# Altium PCB SEG_pressure gauge_don  V3.0.PcbDoc (part 1 of 2)
Units mil, origin at the board's own origin, x right, y up, seen from the top; angles counter-clockwise.
Board outline 2569.04 x 2565.38 mil, 2 copper layers (Top Layer, Bottom Layer); 47 components, 47 nets, 157 pads, 41 vias.
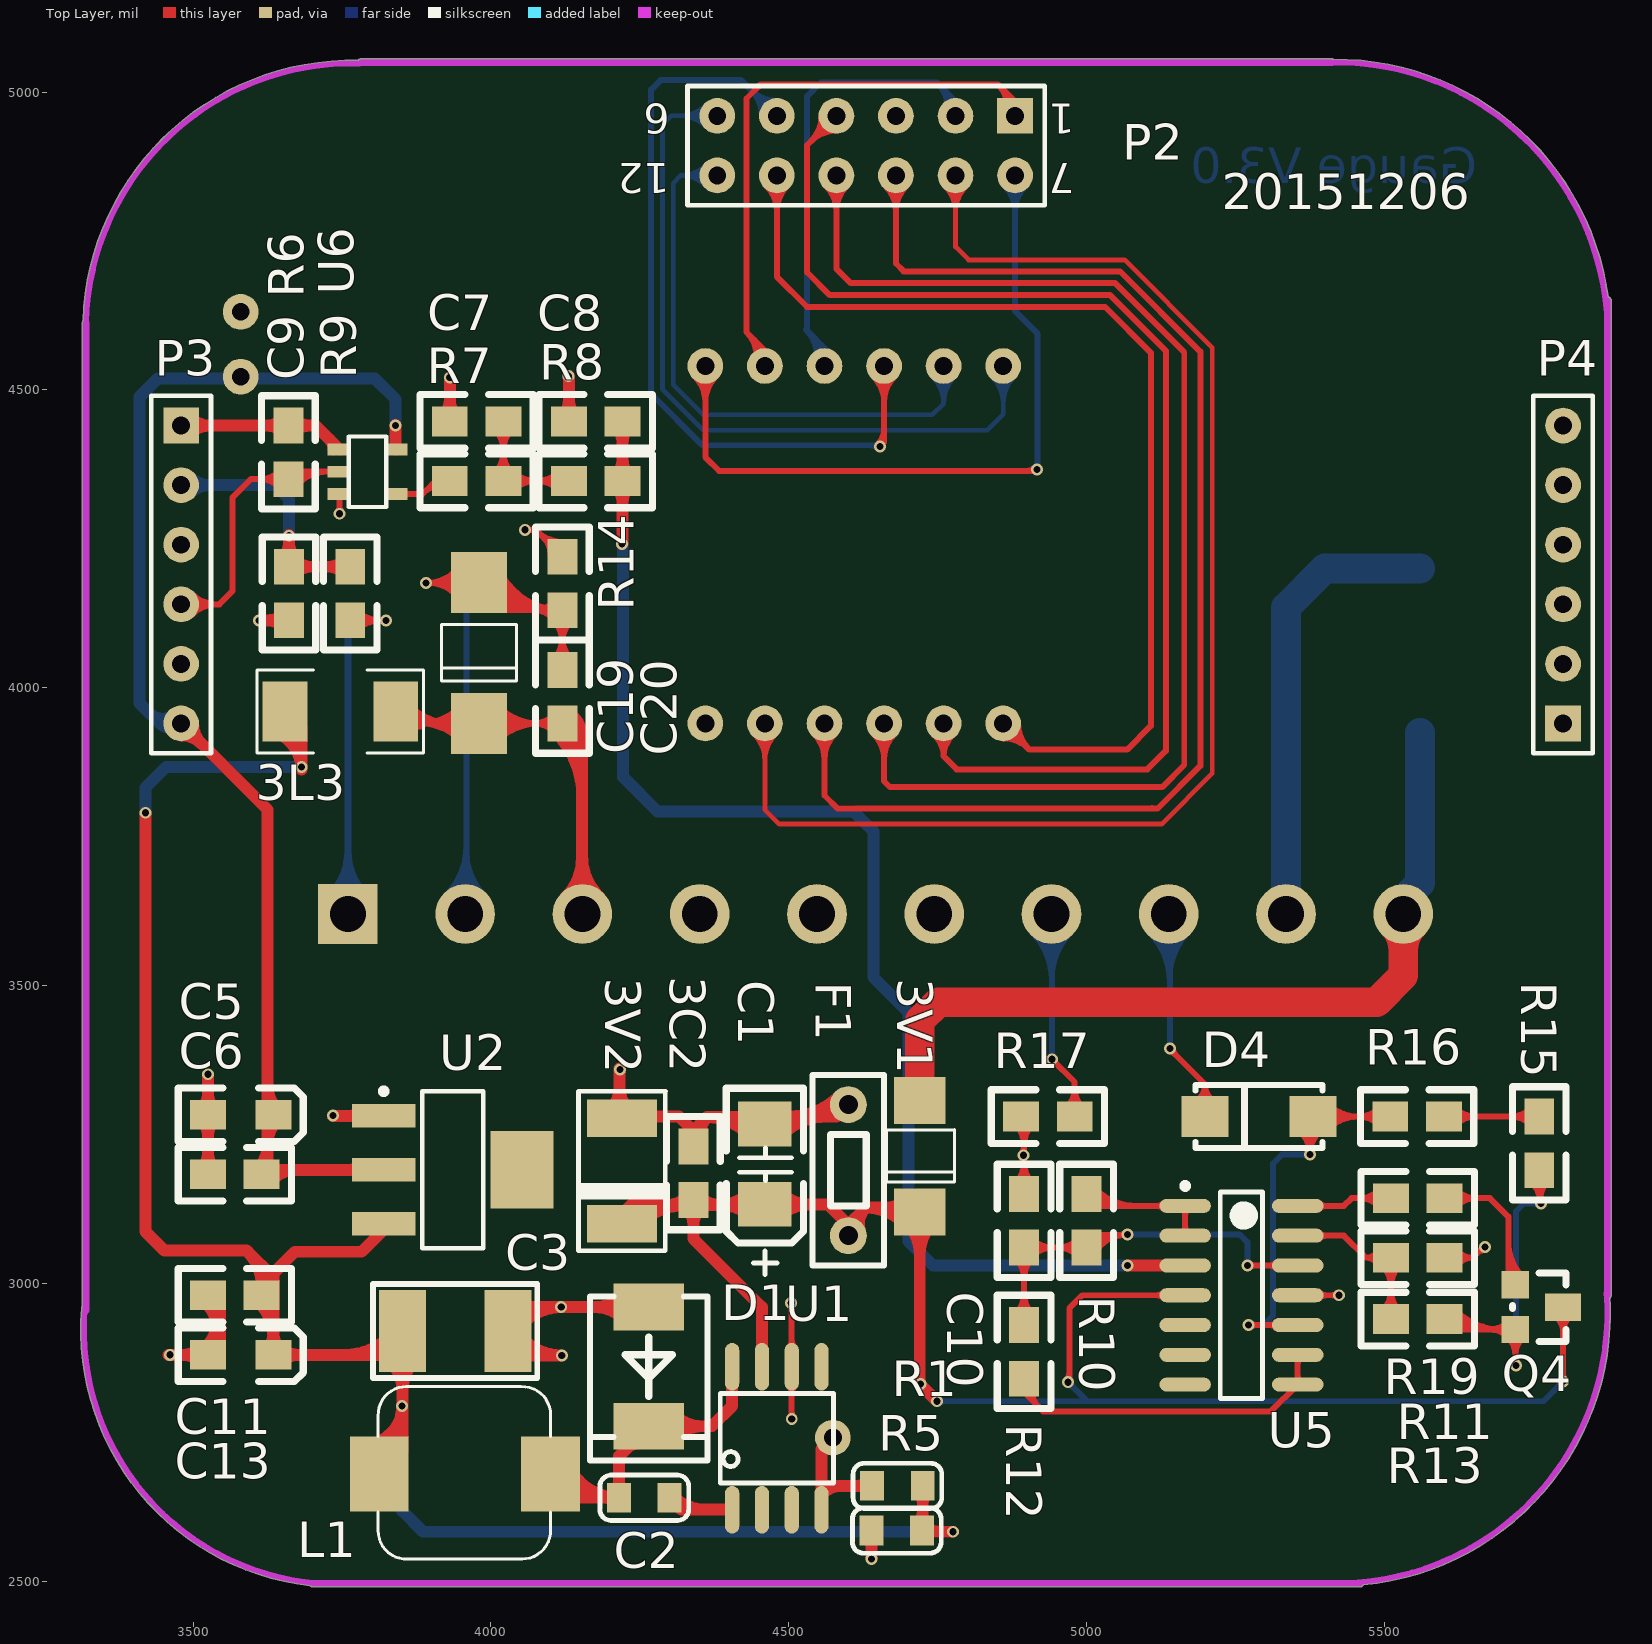
[diagram p0: Top Layer view]
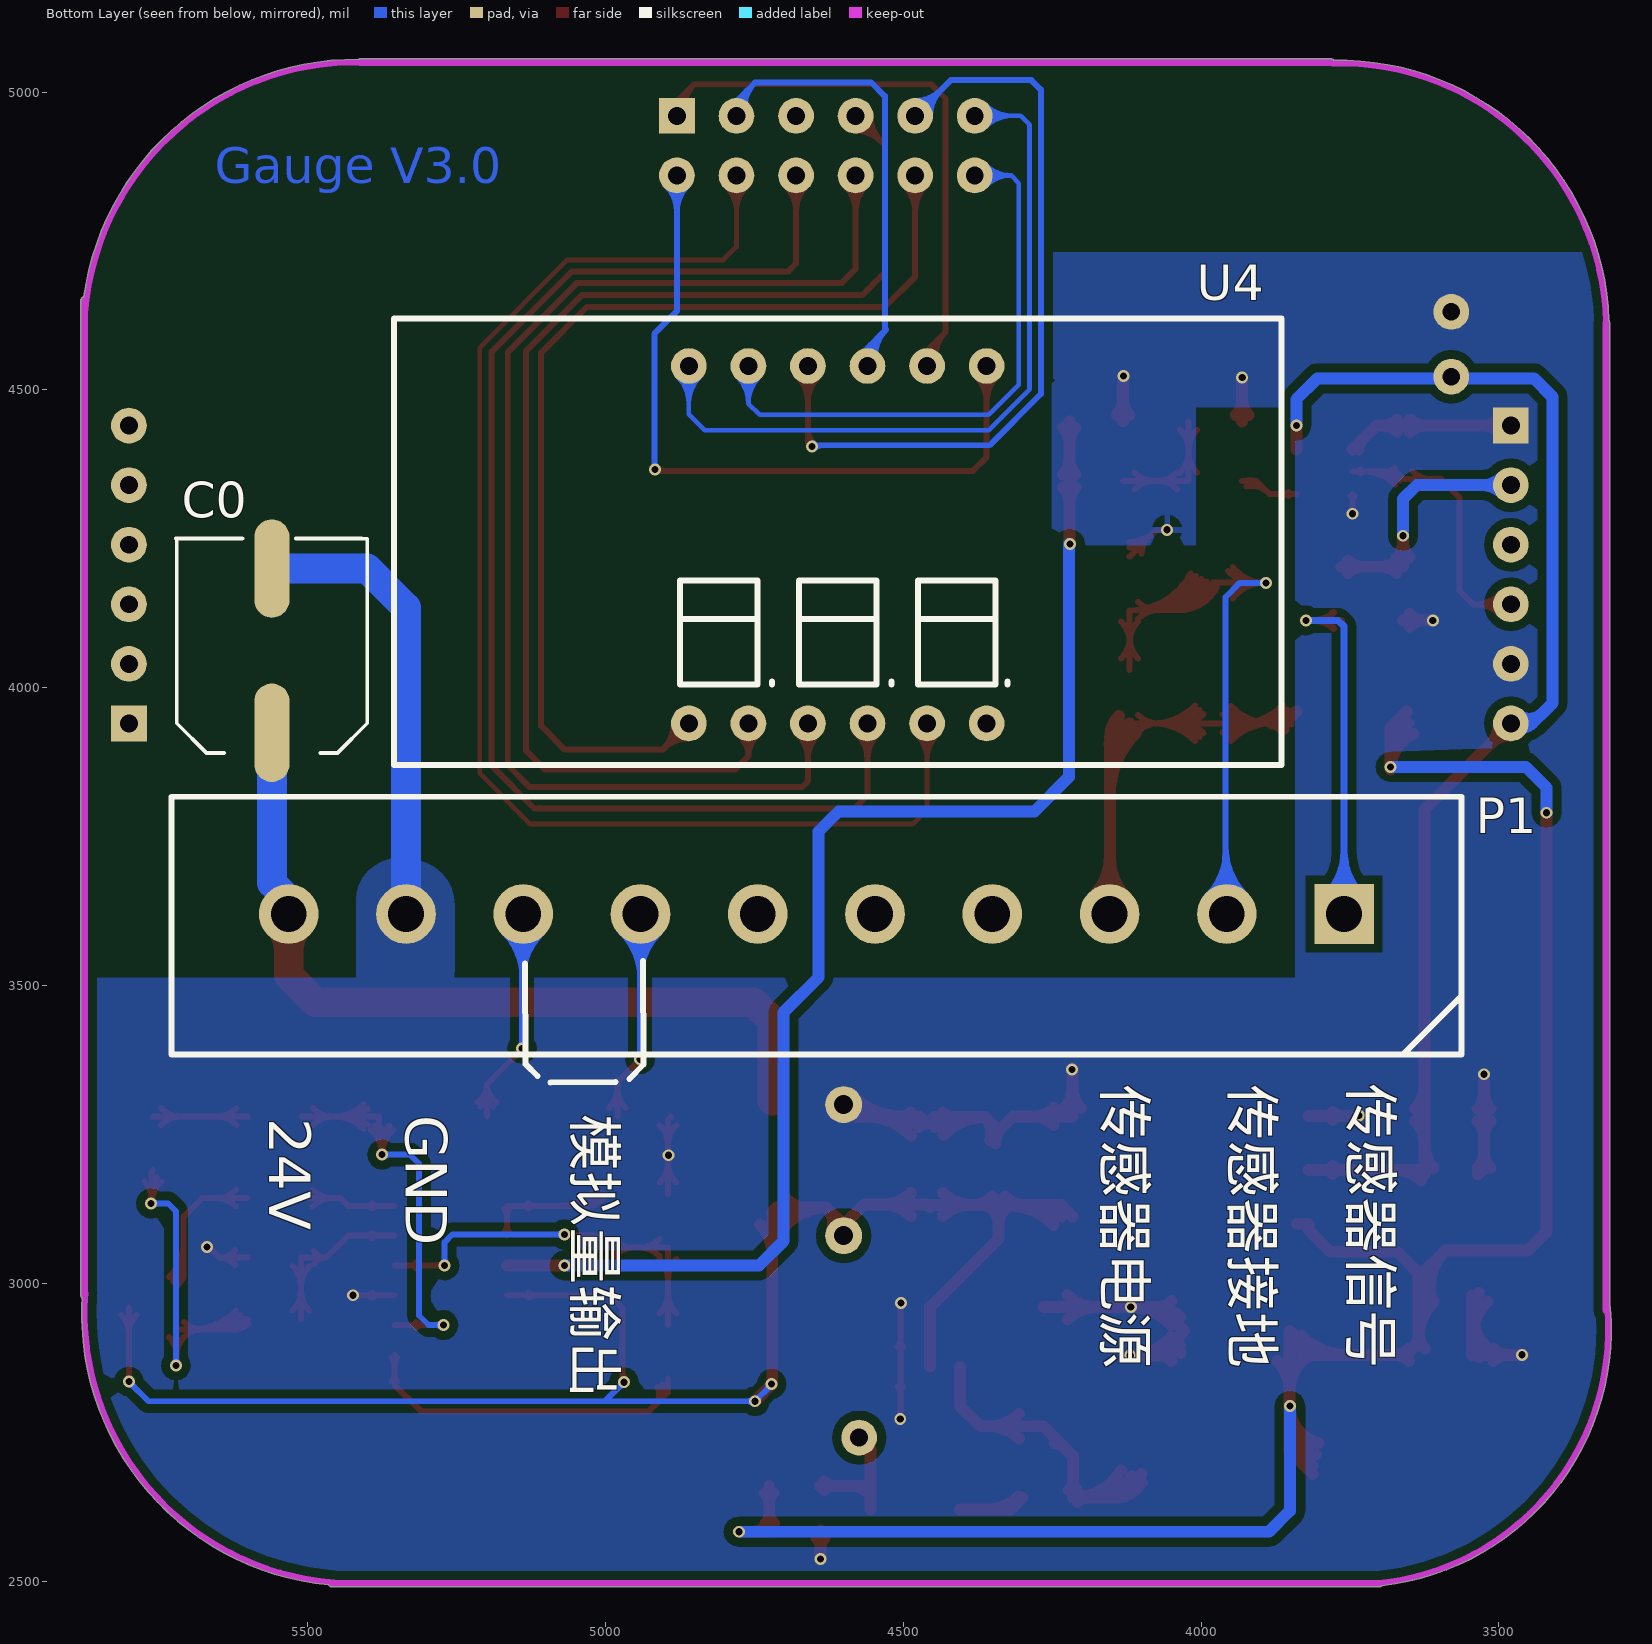
[diagram p1: Bottom Layer view, seen from below]
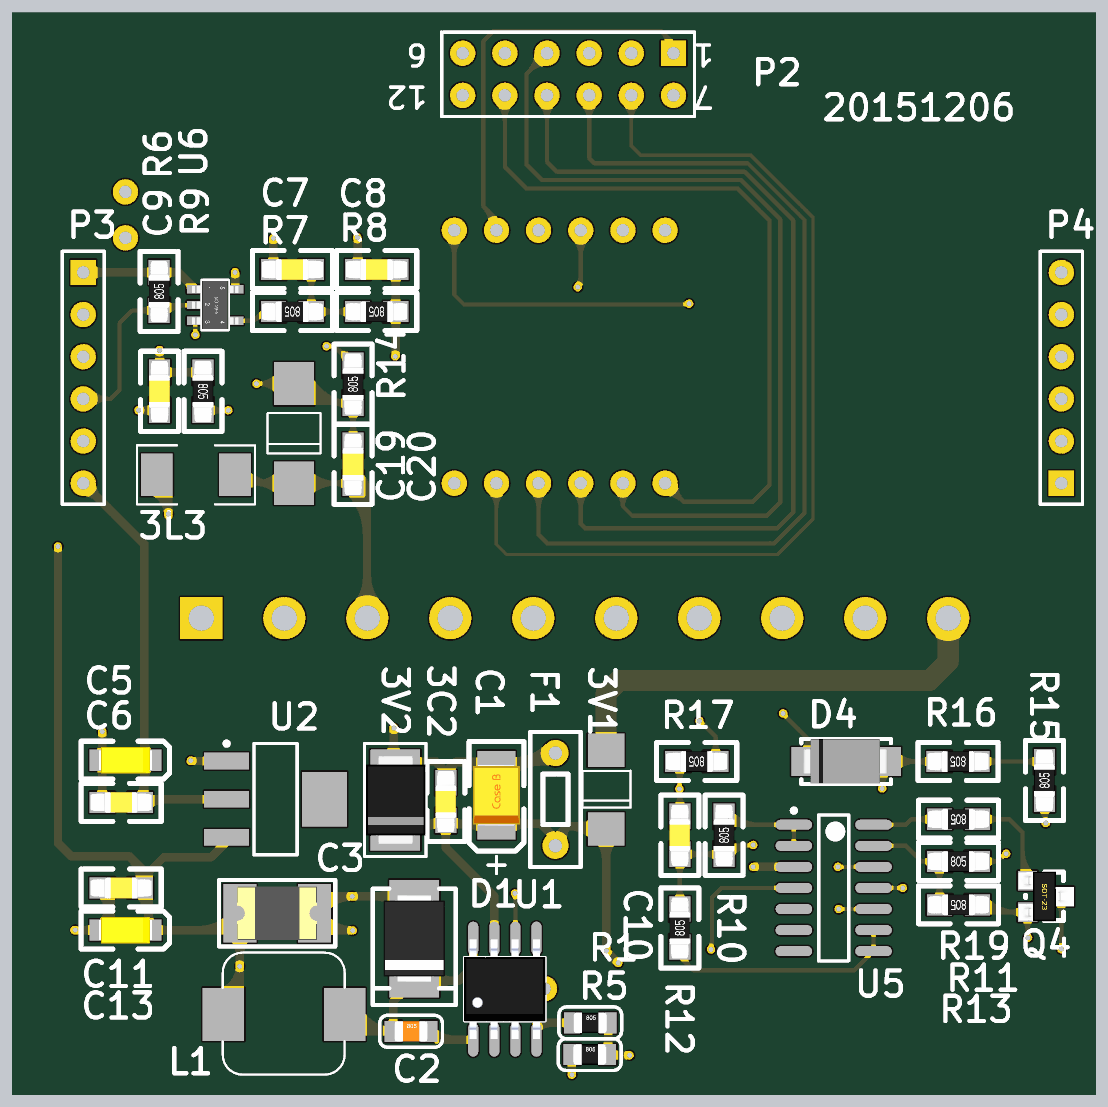
[diagram p3: 3D render of the assembled board from above, using the file's embedded part models]

## Layer stack, top to bottom
Top Layer: signal copper 1.4
Dielectric: core 12.6, FR-4, Dk 4.8
Bottom Layer: signal copper 1.4

## Board outline
3313,2958.41 ccw(c3744.41,2922.59) 3696.48,2492.36 ccw(c3701,2496.18) 3701,2490.26 5459,2490.26 ccw(c5459,2496.18) 5464.37,2493.68 ccw(c5421.5,2949.5) 5879.33,2949.5 ccw(c5421.5,2949.5) 5878.59,2975.52 ccw(c5874.72,2980) 5880.64,2980 5880.64,4650 ccw(c5874.72,4650) 5875.68,4655.84 ccw(c5418.5,4593.5) 5414.88,5054.9 ccw(c5412,5049.72) 5412,5055.64 3782,5055.64 ccw(c3782,5049.72) 3777.11,5053.06 ccw(c3767.09,4601.09) 3315.26,4616.3 ccw(c3320.18,4613) 3314.26,4613 3314.26,2961.34 ccw(c3318,2958)

## Design rules (kind name [scope] priority, off if disabled: settings)
Clearance [All] p1: gap=15
PlaneConnect [All] p1: planeconnectstyle=Direct reliefexpansion=20 reliefentries=4 reliefconductorwidth=10 reliefairgap=10
PolygonConnect [All] p1: connectstyle=Direct reliefconductorwidth=10 reliefentries=4 polygonreliefangle="90 Angle"
RoutingVias [All] p1: holewidth=25 width=50 viastyle="Through Hole" minholewidth=20 minwidth=50 maxholewidth=28 maxwidth=150
SilkscreenOverComponentPads [All] p1: minsilkscreentomaskgap=10
SolderMaskExpansion [All] p1: expansion=4
Width [All] p1: maxlimit=50 minlimit=6 preferedwidth=8
26 further rules are at their usual default settings.

## Components (designator, comment, footprint, x,y, rotation, side; value= is the part's Value field where it differs from the comment)
3C2 "104" 0805_C_Y 4339.97,3139.86 r90 top
3L3 "SMDF453232C100K" SMDF4532 3652.92,3965.72 r0 top
3V1 "IN4007" DO-214AC 4719.08,3298.11 r270 top
3V2 "SMAJ30CA" DO-214AA 4220,3188.58 r270 top
C0 "47uF" D50 5559.46,4200.6 r180 bottom
C1 "47uF" "3528 钽电容" 4460,3200 r270 top
C2 "100pF" 0805C 4215,2640 r0 top
C3 "100uF" 1812-PPTC 3940,2920 r0 top
C5 "10uf" 3216 3580,3283 r0 top
C6 "100nf" 0805_C_Y 3615,3183 r180 top
C7 "100nf" 0805_C_Y 4021,4447 r180 top
C8 "100nf" 0805_C_Y 4221,4447 r180 top
C9 "100nf" 0805_C_Y 3661,4113 r90 top
C10 "474" 0805_C_Y 4895,3060 r90 top
C11 "104" 0805_C_Y 3615,2980 r180 top
C13 "107C/16V" 3216 3580,2880 r0 top
C19 "106/16V" XM_ELE_TA_C_6032 3979.5,3939.77 r90 top
C20 "104" 0805_C_Y 4119.97,3939.86 r90 top
D1 "1N5822" SMB 4265,2860 r270 top
D4 "Diode 1N4007" DO-214 5380,3280 r180 top
F1 "07D390K" FUSE-220 4600,3080 r90 top
L1 "22mH" SMDRH74 4100,2680 r180 top
P1 "Header 10H" HDR1X10H 3760,3620 r0 bottom locked
P2 "Header 6X2*2.54" HDR2X6_CEN 4880,4960 r180 top locked
P3 "Header 6" HDR1X6 3480,4440 r270 top locked
P4 "Header 6" HDR1X6 5800,3940 r90 top locked
Q4 "S8050" SOT-23_Y 5760,2960 r270 top
R1 "3.3K" 0805R 4638.88,2585 r0 top
R5 "10K" 0805R 4640,2660 r0 top
R6 "10k" 0805_R_Y 3660,4350 r90 top
R7 "10k" 0805_R_Y 4021,4347 r180 top
R8 "10k" 0805_R_Y 4221,4347 r180 top
R9 "10k" 0805_R_Y 3764,4203 r270 top
R10 "100k" 0805_R_Y 5000,3060 r90 top
R11 "100k" 0805_R_Y 5511,3043 r0 top
R12 "100k" 0805_R_Y 4895,2840 r90 top
R13 "100k" 0805_R_Y 5601,2940 r180 top
R14 "0" 0805_R_Y 4119.97,4129.85 r90 top
R15 "47" 0805_R_Y 5760,3190 r90 top
R16 "47" 0805_R_Y 5600,3280 r180 top
R17 "100" 0805_R_Y 4980,3280 r180 top
R19 "2k" 0805_R_Y 5601,3143 r180 top
U1 "TPS5430" SO8NB 4480,2740 r0 top
U2 "LM1117MP-3.3" MP04A_M 3936.14,3190.55 r0 top
U4 "3位共阳极数码管" 3位数码管0.56 4860,3940 r180 bottom locked
U5 "LM324AD" D014_N 5260,2980 r0 top
U6 "NC7SZ125" SOT23-5 3745.51,4400 r90 top

## Footprints (in the part's own frame and the unit in brackets; to place one, negate y for a bottom-side part, rotate by r counter-clockwise, add the part's x,y. Pads: shape width x height; smd on the part's side, far side on the other; paste and mask are expansions set on the pad)
3位数码管0.56 [mil]
  round 60 hole 30: 1(0,600) 2(300,600) 3(400,600) 6(500,0) a(100,600) b(500,600) c(300,0) d(100,0) dot(200,0) e(0,0) f(200,600) g(400,0)
  silkscreen extent -495,-70 995,680
0805_C_Y [mil] "0805贴片电容（已加焊）"
  rect 60x50 smd: 1(0,0) 2(90,0)
  silkscreen extent -50,-45 140,45, body extent -27,-25 117,25, height 14
0805_R_Y [mil] "0805贴片电阻（已加焊）"
  rect 60x50 smd: 1(0,0) 2(90,0)
  silkscreen extent -50,-45 140,45, body extent -27,-25 117,25, height 14
0805C [mil]
  rect 40x50 smd: 1(0,0) 2(85,0)
  silkscreen extent -32,-38 117,38, body extent 3,-25 82,25, height 30
0805R [mil]
  rect 40x50 smd: 1(0,0) 2(85,0)
  silkscreen extent -32,-38 117,38, body extent 3,-25 82,25, height 30
1812-PPTC [mm]
  rect 2x3.5 smd: 1(-2.25,0) 2(2.25,0)
  silkscreen extent -3.5,-2 3.5,2, body extent -2.41,-1.61 2.41,1.61, height 1.32
3216 [mil]
  rect 60x50 smd: 1(55,0) 2(-55,0)
  silkscreen extent -105,-45 105,45, body extent -63,-31 63,31, height 63
"3528 钽电容" [mil]
  rect 75x90 smd: 1(67.5,0) 2(-67.5,0)
  silkscreen extent -128,-65 186,65, body extent -73,-56 73,56, height 82
D014_N [mm] "SOIC, 14-Leads, Body 8.7x3.9mm, Pitch 1.27mm, IPC Medium Density"
  oval 2.2x0.6 smd: 1(-2.4,3.81) 2(-2.4,2.54) 3(-2.4,1.27) 4(-2.4,0) 5(-2.4,-1.27) 6(-2.4,-2.54) 7(-2.4,-3.81) 8(2.4,-3.81) 9(2.4,-2.54) 10(2.4,-1.27) 11(2.4,0) 12(2.4,1.27) 13(2.4,2.54) 14(2.4,3.81)
  silkscreen extent -2.52,-4.4 0.9,4.78, body extent -2,-4.38 2,4.38, height 1.75
D50 [mm]
  oval 1.5x4.2 smd: 1(-0.014,-7.015) 2(-0.014,-0.015)
  silkscreen extent -4.1,-7.88 4.06,1.26
DO-214 [mm]
  rect 2x1.75 smd: 1(0,0) 2(4.6,0)
  silkscreen extent -0.4,-1.35 5,1.35, body extent -0.2,-1.34 4.91,1.33, height 2.12
DO-214AA [mm]
  rect 1.59x3 smd: 1(-2.25,0) 2(2.25,0)
  silkscreen extent -3.4,-1.85 3.4,1.85, body extent -2.7,-1.77 2.7,1.83, height 2.32
DO-214AC [mm]
  rect 2x2.2 smd: 1(-0.218,0.024) 2(4.524,0.023)
  silkscreen extent 1.02,-1.4 3.24,1.5
FUSE-220 [mil]
  round 62 hole 32: 1(0,0) 2(220,0)
  silkscreen extent -50,-60 270,60
HDR1X6 [mil] "Connector; Header; 6 Position"
  rect 60x60 hole 30: 1(0,0)
  round 60 hole 30: 2(100,0) 3(200,0) 4(300,0) 5(400,0) 6(500,0)
  silkscreen extent -50,-50 550,50
HDR1X10H [mil] "Connector; Header; 10 Position; Right Angle"
  rect 100x100 hole 60: 1(0,0)
  round 100 hole 60: 2(196.85,0) 3(393.7,0) 4(590.55,0) 5(787.4,0) 6(984.25,0) 7(1181.1,0) 8(1377.95,0) 9(1574.8,0) 10(1771.65,0)
  silkscreen extent -197,-197 1969,236
HDR2X6_CEN [mil] "Connector; Header; 6x2 Position"
  rect 60x60 hole 30: 1(0,0)
  round 60 hole 30: 2(100,0) 3(200,0) 4(300,0) 5(400,0) 6(500,0) 7(0,100) 8(100,100) 9(200,100) 10(300,100) 11(400,100) 12(500,100)
  silkscreen extent -50,-50 550,150
MP04A_M [mm] "SOT223, 4-Leads, Body 6.5x3.5mm, Pitch 2.3mm, Lead Span 7mm, IPC Low Density"
  rect 2.7x1 smd: 1(-2.95,2.3) 2(-2.95,0) 3(-2.95,-2.3)
  rect 2.7x3.3 smd: 4(2.95,0)
  silkscreen extent -3.07,-3.35 1.3,3.47, body extent -1.85,-3.35 1.85,3.35, height 1.8
SMB [mm]
  rect 2x3 smd: 1(-2.54,0) 2(2.54,0)
  silkscreen extent -3,-2.5 4,2.5, body extent -2.65,-1.85 2.65,1.85, height 2.2
SMDF4532 [mil]
  rect 75x100 smd: 1(1.45,-5.72) 2(187.08,-5.72)
  silkscreen extent -46,-76 234,64
SMDRH74 [mm]
  rect 2.5x3.2 smd: 1(0,0) 2(7.3,0)
  silkscreen extent 0,-3.73 7.35,3.63
SO8NB [mil]
  oval 24x80 smd: 1(-75,-120) 2(-25,-120) 3(25,-120) 4(75,-120) 5(75,120) 6(25,120) 7(-25,120) 8(-75,120)
  silkscreen extent -95,-75 95,75, body extent -97,-118 96,118, height 61
SOT23-5 [mm]
  rect 0.5x1 smd: 1(0,0) 2(-0.95,0) 3(-1.9,0) 4(-1.9,-2.4) 5(0,-2.4)
  silkscreen extent -2.45,-2 0.55,-0.4, body extent -2.4,-2.6 0.5,0.2, height 1.09
SOT-23_Y [mil] "IMP809T（已加焊）"
  rect 46x46 smd: 1(-37.5,-40) 2(37.5,-40)
  rect 46x60 smd: 3(0.5,40)
  silkscreen extent -58,-45 58,45, body extent -60,-63 61,70, height 39
XM_ELE_TA_C_6032 [mm]
  rect 2.6x2.4 smd: 1(0.006,-0.013) 2(6.006,-0.013)
  silkscreen extent 1.81,-1.61 4.23,1.59

## Part data
3C2 C11 C19 C20: library part CAP, "Capacitor"
3L3: library part TRANS0
3V1: library part DIODE, "Diode"
3V2: library part ZENER3, "Zener Diode"
C0 C1 C3: library part "Cap Pol1", "Polarized Capacitor (Radial)"
C2 C6 C7 C8 C9 C10: library part Cap, "Capacitor"
C5: library part "Cap Pol2", "Polarized Capacitor (Axial)"
C13: library part "CAPACITOR POL", "Capacitor"
D1: library part "Diode 1N5408", "3 Amp Medium Power Silicon Rectifier Diode"
D4: library part "Diode 1N5402", "3 Amp General Purpose Rectifier"
F1: library part RES2_S, "RES"
L1: library part Inductor, "Inductor"
P1: "Header, 10-Pin, Right Angle"
P2: library part "Header 6X2A", "Header, 6-Pin, Dual row"
P3 P4: "Header, 6-Pin"
Q4: library part 2N3904, "NPN General Purpose Amplifier"
R1 R5 R6 R7 R8 R9 R10 R11 R12 R13 R15 R16 R17 R19: library part Res2, "Resistor"
R14: library part RES1
U1: library part Component_1
U2: "800mA Low-Dropout Linear Regulator"
U5: "Quadruple Operational Amplifier"

## Free pads (board coordinates)
  round 60 hole 30: 0(3580,4522) 1(3580,4631) 2(4574,2741)

## Via types
v1: diameter 20, hole 12, Top Layer to Bottom Layer, 41 vias

## Nets (pads, with @x,y where several pads share a name; then routed paths per layer and width w, separated by ;. In a path a pad name is that pad's centre, name@x,y a point inside that pad or via, vN(x,y) a via of type N, cw(c..) or ccw(c..) an arc to the next point about the centre after c; other vN are vias at no path point)
3.3V: C5.1 C6.1 P3.6 pad.0 U2.2 U6.5 | length 3001.2
  Top Layer w20: P3.6@3480,3940 3625,3795 3625,3283 C5.1@3625,3273 ; C5.1@3635,3283 C5.1@3625,3273 ; U2.2@3820,3190.55 3632.55,3190.55 3625,3183 C5.1@3625,3273 ; U6.5@3840,4400 v1(3840,4440) v1@3840,4441 ; 3514.14,3905.86 ccw(c3480,3871.72) 3480,3920 cw(c3480,3871.72) 3514.14,3905.86 ; 3514.14,3905.86 cw(c3548.28,3940) 3500,3940 ccw(c3548.28,3940) 3514.14,3905.86 ; 3763.15,3190.55 ccw(c3763.15,3213.93) 3779.69,3197.4 cw(c3763.15,3213.93) 3763.15,3190.55 ; 3763.15,3190.55 cw(c3763.15,3167.17) 3779.69,3183.7 ccw(c3763.15,3167.17) 3763.15,3190.55 ; C6.1@3609.39,3193.61 ccw(c3571.72,3231.28) 3625,3231.28 cw(c3571.72,3231.28) C6.1@3609.39,3193.61 ; 3625,3234.72 cw(c3678.28,3234.72) 3640.61,3272.39 ccw(c3678.28,3234.72) 3625,3234.72 ; 3625,3331.28 ccw(c3678.28,3331.28) 3640.61,3293.61 cw(c3678.28,3331.28) 3625,3331.28 ; C6.1@3630.61,3172.39 cw(c3674.45,3128.55) 3674.45,3190.55 ccw(c3674.45,3128.55) C6.1@3630.61,3172.39
  Bottom Layer w20: v1(3840,4440) 3840,4484 3805,4519 3580,4519 3441,4519 3410,4488 3410,3974 3444,3940 ; 3444,3940 ccw(c3444,3962.4) 3463.02,3950.57 cw(c3444,3962.4) 3444,3940 ; 3444,3940 cw(c3444,3917.6) 3463.02,3929.43 ccw(c3444,3917.6) 3444,3940 ; 3444,3940 P3.6@3480,3940 ; P3.6@3480,3940 cw(c3462.03,3960.11) 3442.96,3941.04 ccw(c3462.03,3960.11) P3.6@3480,3940 ; 3428,3956 ccw(c3447.91,3975.91) 3466.67,3954.91 cw(c3447.91,3975.91) 3428,3956
5V: 3L3.1 C3.1 C11.1 C13.1 L1.2 R1.2 R5.2 U2.3 | length 5842.4
  Top Layer w20: v1(3420,3790) 3420,3087 3452,3055 3590,3055 3635,3010 ; 3L3.1@3654.37,3960 3682,3932.37 v1(3682,3867) ; L1.2@3812.6,2680 3851.42,2718.82 v1@3851.42,2794 ; U2.3@3820,3094 3820,3090 3783,3053 3671,3053 3635,3017 ; U2.3@3820,3100 U2.3@3839,3100 ; R5.2@4725,2660 4725,2586.12 R1.2@4723.88,2585 4725.88,2583 v1(4776,2583) ; 3635,2916.21 ccw(c3671.21,2916.21) 3645.61,2890.61 cw(c3671.21,2916.21) 3635,2916.21 ; 3635,2916.21 cw(c3598.79,2916.21) 3624.39,2890.61 ccw(c3598.79,2916.21) 3635,2916.21 ; 3635,3010 3635,2980 3635,2900 3645,2890 3655,2880 3811.42,2880 ; 3635,3010 3635,3017 ; 3635,3017 cw(c3612.18,3017) 3616.9,2994.68 ccw(c3612.18,3017) 3635,3017 ; 3676.21,2880 ccw(c3676.21,2843.79) 3650.61,2869.39 cw(c3676.21,2843.79) 3676.21,2880 ; 3676.21,2880 cw(c3676.21,2916.21) 3650.61,2890.61 ccw(c3676.21,2916.21) 3676.21,2880 ; 3811.42,2880 ccw(c3811.42,2890.63) 3822.05,2890.59 cw(c3811.42,2890.63) 3811.42,2880 ; 3811.42,2880 cw(c3811.42,2857.59) 3828.73,2871.82 ccw(c3811.42,2857.59) 3811.42,2880 ; 3811.42,2880 C3.1@3851.42,2920 v1@3851.42,2794 ; C3.1@3830.65,2869.7 cw(c3780.51,2819.57) 3851.42,2819.57 ; C3.1@3830.65,2869.7 ccw(c3805.79,2844.85) 3805.79,2880 cw(c3805.79,2844.85) C3.1@3830.65,2869.7 ; C3.1@3830.65,2869.7 cw(c3780.51,2819.57) 3851.42,2819.57 ; v1@3851.42,2794 cw(c3787.26,2794) 3802.99,2731.8 ccw(c3787.26,2794) v1@3851.42,2794 ; 3851.42,2819.57 cw(c3922.32,2819.57) 3872.19,2869.7 ccw(c3922.32,2819.57) 3851.42,2819.57 ; 4725,2630.86 ccw(c4700.86,2630.86) 4717.93,2647.93 cw(c4700.86,2630.86) 4725,2630.86 ; 4725,2630.86 cw(c4749.14,2630.86) 4732.07,2647.93 ccw(c4749.14,2630.86) 4725,2630.86 ; 3590.34,3054.66 cw(c3528.41,2992.73) 3614.94,2979.23 ccw(c3528.41,2992.73) 3590.34,3054.66 ; C11.1@3609.39,2969.39 cw(c3547.57,2907.57) 3635,2907.57 ccw(c3547.57,2907.57) C11.1@3609.39,2969.39 ; 3618.17,3026.83 cw(c3576.56,2985.22) 3634.7,2976.14 ccw(c3576.56,2985.22) 3618.17,3026.83 ; C11.1@3623.54,2983.54 cw(c3595.86,2955.86) 3635,2955.86 ccw(c3595.86,2955.86) C11.1@3623.54,2983.54 ; 3L3.1@3643.13,3922.4 cw(c3616.24,3862.39) 3682,3862.39 ccw(c3616.24,3862.39) 3L3.1@3643.13,3922.4 ; 3L3.1@3651.3,3940.66 cw(c3630.07,3893.27) 3682,3893.27 ccw(c3630.07,3893.27) 3L3.1@3651.3,3940.66 ; 3755.23,2880 ccw(c3755.23,2986.66) 3830.65,2911.24 cw(c3755.23,2986.66) 3755.23,2880 ; 3803.51,2880 ccw(c3803.51,2938.38) 3844.79,2897.1 cw(c3803.51,2938.38) 3803.51,2880 ; L1.2@3807.89,2712.41 ccw(c3793.75,2768.31) 3851.42,2768.31 cw(c3793.75,2768.31) L1.2@3807.89,2712.41 ; C3.1@3812.57,2881.16 cw(c3830.2,2863.54) 3845.62,2883.11 ccw(c3830.2,2863.54) C3.1@3812.57,2881.16 ; L1.2@3812.79,2693.02 ccw(c3800.25,2742.62) 3851.42,2742.62 cw(c3800.25,2742.62) L1.2@3812.79,2693.02 ; R1.2@4716.81,2597.07 ccw(c4697.04,2616.84) 4725,2616.84 cw(c4697.04,2616.84) R1.2@4716.81,2597.07 ; 4725,2611.44 ccw(c4745.32,2611.44) 4730.95,2597.07 cw(c4745.32,2611.44) 4725,2611.44 ; R1.2@4730.95,2592.07 ccw(c4752.85,2613.97) 4752.85,2583 cw(c4752.85,2613.97) R1.2@4730.95,2592.07
  Bottom Layer w20: v1(3420,3790) 3420,3832 3455,3867 v1(3682,3867) ; v1(3851,2794) 3851,2618 3886,2583 v1@4774,2583
24V: 3C2.1 3V1.2 3V2.2 C1.1 F1.1 Q4.3 U1.7 U5.4 | length 4952.6
  Top Layer w10: v1@4971,2834 4971,2958 4993,2980 U5.4@5165.51,2980 ; v1@5800,2834 v1(5800,2835) Q4.3@5800,2959.5 ; 5117.57,2980 ccw(c5117.57,2996.44) 5129.2,2984.82 cw(c5117.57,2996.44) 5117.57,2980 ; 5117.57,2980 cw(c5117.57,2963.56) 5129.2,2975.18 ccw(c5117.57,2963.56) 5117.57,2980 ; 5800,2847.07 ccw(c5812.07,2847.07) 5803.54,2838.54 cw(c5812.07,2847.07) 5800,2847.07 ; 5800,2847.07 cw(c5787.93,2847.07) 5796.46,2838.54 ccw(c5787.93,2847.07) 5800,2847.07 ; 5800,2916.04 ccw(c5756.54,2916.04) 5787.27,2946.77 cw(c5756.54,2916.04) 5800,2916.04 ; 5800,2916.04 cw(c5843.46,2916.04) 5812.73,2946.77 ccw(c5843.46,2916.04) 5800,2916.04 ; v1@4965.46,2837.54 ccw(c4952.1,2850.9) 4971,2850.9 cw(c4952.1,2850.9) v1@4965.46,2837.54
  Top Layer w20: 3V2.2@4216,3112.28 4235,3131.28 3C2.1@4339.97,3131.28 ; 3C2.1@4340,3140 3C2.1@4339.97,3139.86 3C2.1@4340,3131.28 ; U1.7@4455,2860 4455,2960 4340,3075 3C2.1@4340,3131.28 ; v1@4748,2803 4720.5,2830.5 4720,2831 3V1.2@4720,3120 4713,3127 4629,3127 ; 3C2.1@4329.39,3124.39 cw(c4303.79,3098.79) 4340,3098.79 ; 3C2.1@4329.39,3124.39 ccw(c4312.76,3107.76) 4312.76,3131.28 cw(c4312.76,3107.76) 3C2.1@4329.39,3124.39 ; 3C2.1@4329.39,3124.39 cw(c4303.79,3098.79) 4340,3098.79 ; 4340,3098.79 cw(c4376.21,3098.79) 3C2.1@4350.61,3124.39 ; 4340,3098.79 cw(c4376.21,3098.79) 3C2.1@4350.61,3124.39 ; 3C2.1@4340,3131.28 4451.22,3131.28 4455,3127.5 C1.1@4460,3132.5 4565.5,3132.5 4600,3098 4629,3127 ; 3C2.1@4350.61,3124.39 cw(c4367.24,3107.76) 4367.24,3131.28 ccw(c4367.24,3107.76) 3C2.1@4350.61,3124.39 ; 4533.89,3132.5 ccw(c4533.89,3066.11) 4486.95,3113.05 cw(c4533.89,3066.11) 4533.89,3132.5 ; 4533.89,3132.5 cw(c4533.89,3198.89) 4486.95,3151.95 ccw(c4533.89,3198.89) 4533.89,3132.5 ; 4629,3127 ccw(c4656.34,3099.65) 4619.83,3086.92 cw(c4656.34,3099.65) 4629,3127 ; 4629,3127 cw(c4629,3033.99) 4695.17,3099.36 ccw(c4629,3033.99) 4629,3127 ; 4720,3049.09 ccw(c4649.09,3049.09) 4699.23,3099.23 cw(c4649.09,3049.09) 4720,3049.09 ; 4720,3049.09 cw(c4790.91,3049.09) 4740.77,3099.23 ccw(c4790.91,3049.09) 4720,3049.09 ; 3V2.2@4233.27,3112.34 cw(c4279,3066.6) 4279,3131.28 ccw(c4279,3066.6) 3V2.2@4233.27,3112.34 ; 3V2.2@4247.41,3098.2 cw(c4327.29,3018.32) 4327.29,3131.28 ccw(c4327.29,3018.32) 3V2.2@4247.41,3098.2 ; 4294.82,3131.28 ccw(c4294.82,3180.18) 4329.39,3145.61 cw(c4294.82,3180.18) 4294.82,3131.28 ; 3C2.1@4350.61,3145.61 ccw(c4385.18,3180.18) 4385.18,3131.28 cw(c4385.18,3180.18) 3C2.1@4350.61,3145.61 ; 4383.17,3131.28 ccw(c4383.17,3201.83) 4433.05,3151.95 cw(c4383.17,3201.83) 4383.17,3131.28 ; 4389.04,3131.28 cw(c4389.04,3069.04) 4433.05,3113.05 ccw(c4389.04,3069.04) 4389.04,3131.28 ; 4587.63,3110.37 cw(c4559.97,3082.7) 4599,3080.07 ccw(c4559.97,3082.7) 4587.63,3110.37 ; 4662.06,3127 ccw(c4662.06,3174.01) 4695.3,3140.77 cw(c4662.06,3174.01) 4662.06,3127 ; 3V1.2@4676.88,3127 cw(c4676.88,3081.29) 4709.4,3113.41 ccw(c4676.88,3081.29) 3V1.2@4676.88,3127
  Bottom Layer w10: v1@4723.5,2827.5 v1(4749,2802) 5001,2802 ; v1(4969,2834) 5001,2802 ; v1(5800,2835) 5767,2802 5001,2802 ; 4740.46,2810.54 ccw(c4749,2819.07) 4749,2807 cw(c4749,2819.07) 4740.46,2810.54 ; 4740.46,2810.54 cw(c4731.93,2802) 4744,2802 ccw(c4731.93,2802) 4740.46,2810.54 ; 4761.07,2802 ccw(c4761.07,2789.93) 4752.54,2798.46 cw(c4761.07,2789.93) 4761.07,2802 ; 4761.07,2802 cw(c4761.07,2814.07) 4752.54,2805.54 ccw(c4761.07,2814.07) 4761.07,2802 ; 4977.54,2825.46 ccw(c4969,2816.93) 4969,2829 cw(c4969,2816.93) 4977.54,2825.46 ; 4977.54,2825.46 cw(c4986.07,2834) 4974,2834 ccw(c4986.07,2834) 4977.54,2825.46 ; 5791.46,2826.46 ccw(c5782.93,2835) 5795,2835 cw(c5782.93,2835) 5791.46,2826.46 ; 5791.46,2826.46 cw(c5800,2817.93) 5800,2830 ccw(c5800,2817.93) 5791.46,2826.46 ; v1@4721,2826 cw(c4721,2816.34) 4727.83,2823.17 ccw(c4721,2816.34) v1@4721,2826 ; v1@4726,2831 ccw(c4740.49,2831) 4730.24,2820.76 cw(c4740.49,2831) v1@4726,2831
  other v1: 4721,2831
24VIN: 3V1.1 C0.1 P1.10 | length 1586.4
  Top Layer w50: 3V1.1@4720.03,3306.7 4720.03,3441.03 4751,3472 5487,3472 5531.65,3516.65 P1.10@5531.65,3620 ; 5531.65,3559.64 ccw(c5471.3,3559.64) 5513.98,3602.32 cw(c5471.3,3559.64) 5531.65,3559.64 ; 5531.65,3559.64 cw(c5592.01,3559.64) 5549.33,3602.32 ccw(c5592.01,3559.64) 5531.65,3559.64
  Bottom Layer w50: P1.10@5531.65,3620 5531.65,3643.65 5560,3672 C0.1@5560,3924.41
A_GND: C19.2 C20.2 P1.2 R14.1 | length 3951.6
  Top Layer w10: v1@3891,4177 ccw(c3892.88,4178.88) v1@3892.88,4176.22 ; R14.1@4119.97,4130 4026.22,4130 C19.2@3980,4176.22 v1@3892.88,4176.22 ; C20.2@4120,4030 R14.1@4119.97,4129.85 R14.1@4120,4130 ; v1@3892.88,4176.22 ccw(c3892.88,4244.92) 3946.83,4202.38 cw(c3892.88,4244.92) v1@3892.88,4176.22 ; v1@3892.88,4176.22 cw(c3892.88,4107.52) 3946.83,4150.06 ccw(c3892.88,4107.52) v1@3892.88,4176.22 ; 3913.51,4176.22 ccw(c3913.51,4228.66) 3954.68,4196.19 cw(c3913.51,4228.66) 3913.51,4176.22 ; 3913.51,4176.22 cw(c3913.51,4123.78) 3954.68,4156.25 ccw(c3913.51,4123.78) 3913.51,4176.22 ; 4071.72,4130 ccw(c4071.72,4178.28) 4105.86,4144.14 cw(c4071.72,4178.28) 4071.72,4130 ; 4071.72,4130 cw(c4071.72,4081.72) 4105.86,4115.86 ccw(c4071.72,4081.72) 4071.72,4130 ; 4120,4076.72 ccw(c4071.72,4076.72) 4105.86,4110.86 cw(c4071.72,4076.72) 4120,4076.72 ; 4120,4076.72 cw(c4168.28,4076.72) 4134.14,4110.86 ccw(c4168.28,4076.72) 4120,4076.72 ; 4120,4083.28 ccw(c4168.28,4083.28) 4134.14,4049.14 cw(c4168.28,4083.28) 4120,4083.28 ; 4120,4083.28 cw(c4071.72,4083.28) 4105.86,4049.14 ccw(c4071.72,4083.28) 4120,4083.28 ; R14.1@4119.99,4130 cw(c4119.99,4245.95) 4017.38,4191.96 ccw(c4119.99,4245.95) R14.1@4119.99,4130 ; v1@3894.54,4172.46 cw(c3903.6,4163.4) 3903.6,4176.22 ccw(c3903.6,4163.4) v1@3894.54,4172.46 ; v1@3894.54,4179.54 ccw(c3902.54,4187.54) 3902.54,4176.22 cw(c3902.54,4187.54) v1@3894.54,4179.54 ; C19.2@3973.14,4168.67 ccw(c4037.18,4202.37) 4037.18,4130 cw(c4037.18,4202.37) C19.2@3973.14,4168.67 ; C19.2@3981.99,4173.33 ccw(c4053.75,4211.09) 4053.75,4130 cw(c4053.75,4211.09) C19.2@3981.99,4173.33 ; C19.2@3990.84,4177.99 ccw(c4070.31,4219.8) 4070.31,4130 cw(c4070.31,4219.8) C19.2@3990.84,4177.99 ; C19.2@3999.69,4182.64 ccw(c4086.87,4228.52) 4086.87,4130 cw(c4086.87,4228.52) C19.2@3999.69,4182.64 ; C19.2@4008.53,4187.3 ccw(c4103.43,4237.23) 4103.43,4130 cw(c4103.43,4237.23) C19.2@4008.53,4187.3
  Bottom Layer w10: v1(3891,4176) 3935,4176 3959,4152 3959,3622.15 P1.2@3956.85,3620 ; 3903.07,4176 ccw(c3903.07,4163.93) 3894.54,4172.46 cw(c3903.07,4163.93) 3903.07,4176 ; 3903.07,4176 cw(c3903.07,4188.07) 3894.54,4179.54 ccw(c3903.07,4188.07) 3903.07,4176 ; P1.2@3925.03,3651.82 ccw(c3843.02,3733.83) 3959,3733.83 cw(c3843.02,3733.83) P1.2@3925.03,3651.82 ; P1.2@3932.1,3644.75 ccw(c3867.16,3709.69) 3959,3709.69 cw(c3867.16,3709.69) P1.2@3932.1,3644.75 ; P1.2@3939.17,3637.68 ccw(c3891.3,3685.55) 3959,3685.55 cw(c3891.3,3685.55) P1.2@3939.17,3637.68 ; 3959,3675.16 ccw(c4012.01,3675.16) 3974.53,3637.68 cw(c4012.01,3675.16) 3959,3675.16 ; 3959,3699.31 ccw(c4036.16,3699.31) 3981.6,3644.75 cw(c4036.16,3699.31) 3959,3699.31 ; 3959,3723.45 ccw(c4060.3,3723.45) 3988.67,3651.82 cw(c4060.3,3723.45) 3959,3723.45
AD0: P1.1 R9.2 | length 1327.7
  Top Layer w12: R9.2@3764,4113 v1@3820,4113 ; 3809.87,4113 ccw(c3809.87,4067.13) 3777.44,4099.56 cw(c3809.87,4067.13) 3809.87,4113 ; 3809.87,4113 cw(c3809.87,4158.87) 3777.44,4126.44 ccw(c3809.87,4158.87) 3809.87,4113
  Bottom Layer w12: P1.1@3760,3620 3760,4103 3770,4113 v1(3824,4113) ; 3760,3697.25 ccw(c3837.25,3697.25) 3782.63,3642.63 cw(c3837.25,3697.25) 3760,3697.25 ; 3760,3697.25 cw(c3682.75,3697.25) 3737.37,3642.63 ccw(c3682.75,3697.25) 3760,3697.25 ; 3760,3726.23 ccw(c3866.23,3726.23) 3791.11,3651.11 cw(c3866.23,3726.23) 3760,3726.23 ; 3760,3726.23 cw(c3653.77,3726.23) 3728.89,3651.11 ccw(c3653.77,3726.23) 3760,3726.23
AD1: P3.3
AV_5V: 3L3.2 C19.1 C20.1 P1.3 | length 3825.5
  Top Layer w10: 3L3.2@3840,3960 3861,3960 3881,3940 ; C20.1@4119.97,3940 C19.1@3980,3940 3881,3940 ; 3881,3940 ccw(c3881,3926.38) 3868.89,3932.62 cw(c3881,3926.38) 3881,3940 ; 3881,3940 cw(c3881,3948.51) 3872.49,3948.3 ccw(c3881,3948.51) 3881,3940 ; 3881.01,3940 ccw(c3881.01,4034.87) 3949.5,3969.23 cw(c3881.01,4034.87) 3881.01,3940 ; 3881.01,3940 cw(c3881.01,3845.13) 3949.5,3910.77 ccw(c3881.01,3845.13) 3881.01,3940 ; 3904.44,3940 ccw(c3904.44,4012.41) 3956.72,3962.31 cw(c3904.44,4012.41) 3904.44,3940 ; 3904.44,3940 cw(c3904.44,3867.59) 3956.72,3917.69 ccw(c3904.44,3867.59) 3904.44,3940 ; 3927.87,3940 ccw(c3927.87,3989.95) 3963.94,3955.39 cw(c3927.87,3989.95) 3927.87,3940 ; 3927.87,3940 cw(c3927.87,3890.05) 3963.94,3924.61 ccw(c3927.87,3890.05) 3927.87,3940 ; 4033.7,3940 ccw(c4033.7,3886.3) 3995.73,3924.27 cw(c4033.7,3886.3) 4033.7,3940 ; 4033.7,3940 cw(c4033.7,3993.7) 3995.73,3955.73 ccw(c4033.7,3993.7) 4033.7,3940 ; 4057.84,3940 ccw(c4057.84,3862.16) 4002.8,3917.2 cw(c4057.84,3862.16) 4057.84,3940 ; 4057.84,3940 cw(c4057.84,4017.84) 4002.8,3962.8 ccw(c4057.84,4017.84) 4057.84,3940 ; 4071.72,3940 ccw(c4071.72,3988.28) 4105.86,3954.14 cw(c4071.72,3988.28) 4071.72,3940 ; 4071.72,3940 cw(c4071.72,3891.72) 4105.86,3925.86 ccw(c4071.72,3891.72) 4071.72,3940 ; 4081.99,3940 ccw(c4081.99,3838.01) 4009.87,3910.13 cw(c4081.99,3838.01) 4081.99,3940 ; 4081.99,3940 cw(c4081.99,4041.99) 4009.87,3969.87 ccw(c4081.99,4041.99) 4081.99,3940 ; 3L3.2@3848.56,3938.39 cw(c3865.58,3920.26) 3883.16,3937.84 ccw(c3865.58,3920.26) 3L3.2@3848.56,3938.39 ; 3L3.2@3848.84,3956.34 ccw(c3888.28,3995.78) 3888.28,3940 cw(c3888.28,3995.78) 3L3.2@3848.84,3956.34 ; 3L3.2@3855.91,3963.41 ccw(c3912.43,4019.93) 3912.43,3940 cw(c3912.43,4019.93) 3L3.2@3855.91,3963.41 ; 3L3.2@3862.98,3924.52 cw(c3900.36,3887.14) 3900.36,3940 ccw(c3900.36,3887.14) 3L3.2@3862.98,3924.52 ; 3L3.2@3862.98,3970.48 ccw(c3936.57,4044.07) 3936.57,3940 cw(c3936.57,4044.07) 3L3.2@3862.98,3970.48
  Top Layer w20: 3L3.2@3840,3960 3860,3940 3881,3940 ; C20.1@4120,3940 4120.06,3939.94 4153,3907 4153,3620.7 P1.3@4153.7,3620 ; 3881,3940 ccw(c3881,3915.48) 3861.67,3930.57 cw(c3881,3915.48) 3881,3940 ; 3881,3940 cw(c3881,3954.01) 3867.16,3951.81 ccw(c3881,3954.01) 3881,3940 ; C20.1@4109.39,3924.39 cw(c4004.12,3819.12) 4153,3819.12 ccw(c4004.12,3819.12) C20.1@4109.39,3924.39 ; C20.1@4120,3920 cw(c4120,3871.72) 4154.14,3905.86 ccw(c4120,3871.72) C20.1@4120,3920 ; C20.1@4123.54,3938.54 cw(c4052.4,3867.4) 4153,3867.4 ccw(c4052.4,3867.4) C20.1@4123.54,3938.54 ; P1.3@4125.42,3648.28 ccw(c4058.82,3714.88) 4153,3714.88 cw(c4058.82,3714.88) P1.3@4125.42,3648.28 ; C20.1@4135,3935 ccw(c4159.14,3935) 4142.07,3917.93 cw(c4159.14,3935) C20.1@4135,3935 ; C20.1@4137.68,3952.68 cw(c4100.69,3915.69) 4153,3915.69 ccw(c4100.69,3915.69) C20.1@4137.68,3952.68 ; 4153,3718.26 ccw(c4251.96,3718.26) 4181.98,3648.28 cw(c4251.96,3718.26) 4153,3718.26
BACK1: P4.4
BACK2: P4.3
CONTROL1: P4.2
CONTROL2: P4.1
GND: 3C2.2 3V2.1 C0.2 C1.2 C3.2 C5.2 C6.2 C7.2 C8.2 C9.1 C10.2 C11.2 C13.2 D1.1 F1.2 P1.9 P3.1 P3.5 pad.1 R1.1 R6.2 R11.2 R14.2 R17.2 U1.6 U2.1 U5.11 U6.1 U6.3 | length 8377.8
  Top Layer w10: v1@3745.51,4300.51 U6.3@3745.51,4325.2 ; v1(4057,4265) 4075,4265 R14.2@4120,4220 ; v1@4505,2770 v1(4505,2772) U1.6@4505,2860 4505,2967 v1@4505,2968 ; R17.2@4890,3280 4895,3275 4895,3215 C10.2@4895,3150 ; U5.11@5354.49,2980 v1(5424,2980) v1@5426,2980 ; R11.2@5601,3043 5648,3043 ; v1@5663,3058 5648,3043 ; 3745.51,4313.51 ccw(c3733.82,4313.51) 3742.09,4321.77 cw(c3733.82,4313.51) 3745.51,4313.51 ; 3745.51,4313.51 cw(c3757.2,4313.51) 3748.94,4321.77 ccw(c3757.2,4313.51) 3745.51,4313.51 ; 4069.07,4265 ccw(c4069.07,4252.93) 4060.54,4261.46 cw(c4069.07,4252.93) 4069.07,4265 ; 4069.07,4265 cw(c4069.07,4277.07) 4060.54,4268.54 ccw(c4069.07,4277.07) 4069.07,4265 ; 4505,2784.07 ccw(c4517.07,2784.07) 4508.54,2775.54 cw(c4517.07,2784.07) 4505,2784.07 ; 4505,2784.07 cw(c4492.93,2784.07) 4501.46,2775.54 ccw(c4492.93,2784.07) 4505,2784.07 ; 4505,2815.1 ccw(c4488.1,2815.1) 4500.05,2827.05 cw(c4488.1,2815.1) 4505,2815.1 ; 4505,2815.1 cw(c4521.9,2815.1) 4509.95,2827.05 ccw(c4521.9,2815.1) 4505,2815.1 ; 4505,2904.9 ccw(c4521.9,2904.9) 4509.95,2892.95 cw(c4521.9,2904.9) 4505,2904.9 ; 4505,2904.9 cw(c4488.1,2904.9) 4500.05,2892.95 ccw(c4488.1,2904.9) 4505,2904.9 ; 4895,3203.28 ccw(c4943.28,3203.28) 4909.14,3169.14 cw(c4943.28,3203.28) 4895,3203.28 ; 4895,3203.28 cw(c4846.72,3203.28) 4880.86,3169.14 ccw(c4846.72,3203.28) 4895,3203.28 ; 4895,3231.72 ccw(c4846.72,3231.72) 4880.86,3265.86 cw(c4846.72,3231.72) 4895,3231.72 ; 4895,3231.72 cw(c4943.28,3231.72) 4909.14,3265.86 ccw(c4943.28,3231.72) 4895,3231.72 ; 5402.43,2980 ccw(c5402.43,2963.56) 5390.8,2975.18 cw(c5402.43,2963.56) 5402.43,2980 ; 5402.43,2980 cw(c5402.43,2996.44) 5390.8,2984.82 ccw(c5402.43,2996.44) 5402.43,2980 ; 5411.93,2980 ccw(c5411.93,2992.07) 5420.46,2983.54 cw(c5411.93,2992.07) 5411.93,2980 ; 5411.93,2980 cw(c5411.93,2967.93) 5420.46,2976.46 ccw(c5411.93,2967.93) 5411.93,2980 ; 5648,3043 ccw(c5648,3008.9) 5621.53,3030.39 cw(c5648,3008.9) 5648,3043 ; 5648,3043 cw(c5648,3077.1) 5621.53,3055.61 ccw(c5648,3077.1) 5648,3043 ; v1@3742.46,4295.54 ccw(c3735.11,4302.89) 3745.51,4302.89 cw(c3735.11,4302.89) v1@3742.46,4295.54 ; 3745.51,4305.25 ccw(c3759.25,4305.25) 3749.54,4295.54 cw(c3759.25,4305.25) 3745.51,4305.25 ; 4077.5,4262.5 ccw(c4119.75,4304.74) 4119.94,4245 cw(c4119.75,4304.74) 4077.5,4262.5 ; 4089.39,4250.61 cw(c4063.79,4225) 4100,4225 ccw(c4063.79,4225) 4089.39,4250.61 ; 4094.5,4245.5 ccw(c4119.85,4270.86) 4119.97,4235 cw(c4119.85,4270.86) 4094.5,4245.5 ; v1@4500.46,2963.46 cw(c4489.51,2952.51) 4505,2952.51 ccw(c4489.51,2952.51) v1@4500.46,2963.46 ; v1@4890.46,3211.46 cw(c4879.51,3200.51) 4895,3200.51 ccw(c4879.51,3200.51) v1@4890.46,3211.46 ; v1@4890.46,3218.54 ccw(c4879.51,3229.49) 4895,3229.49 cw(c4879.51,3229.49) v1@4890.46,3218.54 ; 5655.34,3050.34 cw(c5669,3036.69) 5669,3056 ccw(c5669,3036.69) 5655.34,3050.34
  Top Layer w20: v1@3459,2880 v1(3461,2880) C13.2@3525,2880 3545,2880 C11.2@3545,2980 ; P3.1@3480,4440 R6.2@3660,4440 3706,4440 3745.51,4400.49 U6.1@3745.51,4400 ; v1@3525,3350 C5.2@3525,3283 3525,3193 3530,3188 C6.2@3535,3183 ; v1(3611,4113) C9.1@3661,4113 ; v1@3735,3281.1 U2.1@3820,3281.1 ; C7.2@3931,4447 v1(3931,4521) ; v1(4130,4523) 4130,4521 4131,4520 C8.2@4131,4447 ; v1@4216,3361 4216,3359 4216,3280 4220,3280 4316,3280 4340,3256 4363,3279 ; D1.1@4265,2960 v1(4118,2960) ; F1.2@4600,3300 4580,3280 4472.5,3280 C1.2@4460,3267.5 4448.5,3279 4363,3279 ; v1@4638.88,2541 R1.1@4638.88,2585 ; 3483.79,2880 ccw(c3483.79,2916.21) 3509.39,2890.61 cw(c3483.79,2916.21) 3483.79,2880 ; 3483.79,2880 cw(c3483.79,2843.79) 3509.39,2869.39 ccw(c3483.79,2843.79) 3483.79,2880 ; 3525,3219.21 ccw(c3561.21,3219.21) 3535.61,3193.61 cw(c3561.21,3219.21) 3525,3219.21 ; 3525,3219.21 cw(c3488.79,3219.21) 3514.39,3193.61 ccw(c3488.79,3219.21) 3525,3219.21 ; 3525,3246.79 ccw(c3488.79,3246.79) 3514.39,3272.39 cw(c3488.79,3246.79) 3525,3246.79 ; 3525,3246.79 cw(c3561.21,3246.79) 3535.61,3272.39 ccw(c3561.21,3246.79) 3525,3246.79 ; 3525,3319.21 ccw(c3561.21,3319.21) 3535.61,3293.61 cw(c3561.21,3319.21) 3525,3319.21 ; 3525,3319.21 cw(c3488.79,3319.21) 3514.39,3293.61 ccw(c3488.79,3319.21) 3525,3319.21 ; 3528.28,4440 ccw(c3528.28,4391.72) 3494.14,4425.86 cw(c3528.28,4391.72) 3528.28,4440 ; 3528.28,4440 cw(c3528.28,4488.28) 3494.14,4454.14 ccw(c3528.28,4488.28) 3528.28,4440 ; 3623.79,4440 ccw(c3623.79,4476.21) 3649.39,4450.61 cw(c3623.79,4476.21) 3623.79,4440 ; 3623.79,4440 cw(c3623.79,4403.79) 3649.39,4429.39 ccw(c3623.79,4403.79) 3623.79,4440 ; 3624.79,4113 ccw(c3624.79,4149.21) 3650.39,4123.61 cw(c3624.79,4149.21) 3624.79,4113 ; 3624.79,4113 cw(c3624.79,4076.79) 3650.39,4102.39 ccw(c3624.79,4076.79) 3624.79,4113 ; 3696.21,4440 ccw(c3696.21,4403.79) 3670.61,4429.39 cw(c3696.21,4403.79) 3696.21,4440 ; 3696.21,4440 cw(c3696.21,4476.21) 3670.61,4450.61 ccw(c3696.21,4476.21) 3696.21,4440 ; 3763.15,3281.1 ccw(c3763.15,3304.49) 3779.69,3287.95 cw(c3763.15,3304.49) 3763.15,3281.1 ; 3763.15,3281.1 cw(c3763.15,3257.72) 3779.69,3274.26 ccw(c3763.15,3257.72) 3763.15,3281.1 ; 3931,4483.21 ccw(c3967.21,4483.21) 3941.61,4457.61 cw(c3967.21,4483.21) 3931,4483.21 ; 3931,4483.21 cw(c3894.79,4483.21) 3920.39,4457.61 ccw(c3894.79,4483.21) 3931,4483.21 ; 4068.58,2960 ccw(c4068.58,2949.37) 4057.95,2949.41 cw(c4068.58,2949.37) 4068.58,2960 ; 4068.58,2960 cw(c4068.58,2982.41) 4051.27,2968.18 ccw(c4068.58,2982.41) 4068.58,2960 ; 4068.58,2960 C3.2@4028.58,2920 4069.58,2879 ; 4068.58,2960 v1(4118,2960) ; 4069.58,2879 ccw(c4069.58,2852.46) 4050.12,2870.5 cw(c4069.58,2852.46) 4069.58,2879 ; 4069.58,2879 cw(c4069.58,2890.63) 4057.95,2890.58 ccw(c4069.58,2890.63) 4069.58,2879 ; 4069.58,2879 v1@4118,2879 ; v1@4117.99,2879 cw(c4117.99,2967.92) 4050.78,2909.7 ccw(c4117.99,2967.92) v1@4117.99,2879 ; v1(4118,2960) ccw(c4118,2869.12) 4050.42,2929.89 cw(c4118,2869.12) v1(4118,2960) ; 4131,4483.21 ccw(c4167.21,4483.21) 4141.61,4457.61 cw(c4167.21,4483.21) 4131,4483.21 ; 4131,4483.21 cw(c4094.79,4483.21) 4120.39,4457.61 ccw(c4094.79,4483.21) 4131,4483.21 ; 4174.41,2960 ccw(c4174.41,3030.91) 4224.55,2980.77 cw(c4174.41,3030.91) 4174.41,2960 ; 4174.41,2960 cw(c4174.41,2889.09) 4224.55,2939.23 ccw(c4174.41,2889.09) 4174.41,2960 ; 4216,3328.09 ccw(c4264.09,3328.09) 4230.09,3294.09 cw(c4264.09,3328.09) 4216,3328.09 ; 4216,3328.09 cw(c4167.91,3328.09) 4201.91,3294.09 ccw(c4167.91,3328.09) 4216,3328.09 ; 4281.42,3280 ccw(c4281.42,3231.91) 4247.41,3265.91 cw(c4281.42,3231.91) 4281.42,3280 ; 4281.42,3280 cw(c4281.42,3328.09) 4247.41,3294.09 ccw(c4281.42,3328.09) 4281.42,3280 ; 4363,3279 ccw(c4389.53,3252.47) 4354.15,3239.99 cw(c4389.53,3252.47) 4363,3279 ; 4363,3279 cw(c4363,3184.32) 4432.36,3248.78 ccw(c4363,3184.32) 4363,3279 ; 4638.88,2555.86 ccw(c4614.74,2555.86) 4631.81,2572.93 cw(c4614.74,2555.86) 4638.88,2555.86 ; 4638.88,2555.86 cw(c4663.02,2555.86) 4645.95,2572.93 ccw(c4663.02,2555.86) 4638.88,2555.86 ; C13.2@3519.39,2890.61 ccw(c3457.57,2952.43) 3545,2952.43 cw(c3457.57,2952.43) C13.2@3519.39,2890.61 ; C11.2@3519.39,2969.39 cw(c3457.57,2907.57) 3545,2907.57 ccw(c3457.57,2907.57) C11.2@3519.39,2969.39 ; C13.2@3533.54,2876.46 ccw(c3505.86,2904.14) 3545,2904.14 cw(c3505.86,2904.14) C13.2@3533.54,2876.46 ; C11.2@3533.54,2983.54 cw(c3505.86,2955.86) 3545,2955.86 ccw(c3505.86,2955.86) C11.2@3533.54,2983.54 ; 3728.63,4417.37 cw(c3711.27,4400) 3735.83,4400 ccw(c3711.27,4400) 3728.63,4417.37 ; C3.2@4034.2,2882.97 cw(c4049.72,2862.25) 4068.03,2880.56 ccw(c4049.72,2862.25) C3.2@4034.2,2882.97 ; C3.2@4035.55,2943.26 cw(c4073.11,2909.48) 4073.11,2960 ccw(c4073.11,2909.48) C3.2@4035.55,2943.26 ; C3.2@4035.67,2896.61 ccw(c4074.21,2930) 4074.21,2879 cw(c4074.21,2930) C3.2@4035.67,2896.61 ; C3.2@4049.35,2869.7 cw(c4071.79,2847.26) 4071.79,2879 ccw(c4071.79,2847.26) C3.2@4049.35,2869.7 ; C3.2@4049.35,2970.3 ccw(c4074.21,2995.15) 4074.21,2960 cw(c4074.21,2995.15) C3.2@4049.35,2970.3 ; 4335.65,3260.35 cw(c4312.81,3237.5) 4344.98,3234.54 ccw(c4312.81,3237.5) 4335.65,3260.35 ; 4408.9,3279 cw(c4408.9,3226.97) 4447.01,3262.39 ccw(c4408.9,3226.97) 4408.9,3279 ; 4413.87,3279 ccw(c4413.87,3306.13) 4433.05,3286.95 cw(c4413.87,3306.13) 4413.87,3279 ; C1.2@4472.8,3262.2 cw(c4515.78,3219.22) 4515.78,3280 ccw(c4515.78,3219.22) C1.2@4472.8,3262.2 ; C1.2@4486.95,3248.05 cw(c4564.07,3170.93) 4564.07,3280 ccw(c4564.07,3170.93) C1.2@4486.95,3248.05 ; C1.2@4486.95,3286.95 ccw(c4503.71,3303.71) 4503.71,3280 cw(c4503.71,3303.71) C1.2@4486.95,3286.95 ; C1.2@4501.02,3280 ccw(c4501.02,3398.98) 4585.15,3314.85 cw(c4501.02,3398.98) C1.2@4501.02,3280 ; 4549.3,3280 ccw(c4549.3,3350.7) 4599.29,3300.71 cw(c4549.3,3350.7) 4549.3,3280
  Bottom Layer w50: P1.9@5334.8,3620 5334.8,4134.8 5400,4200 C0.2@5560,4200
  other v1: 4639,2537 4119,2879 4504,2967 5669,3061 4894,3215 3735,3282 3525,3351 4217,3359 3746,4292